# Altium PCB Main.PcbDoc (part 1 of 2)
Units mil, origin at the board's own origin, x right, y up, seen from the top; angles counter-clockwise.
Board outline 5243.55 x 2100.99 mil, 2 copper layers (Top Layer, Bottom Layer); 45 components, 63 nets, 314 pads, 247 vias.
Unrouted connection lines stored in the file: 45.
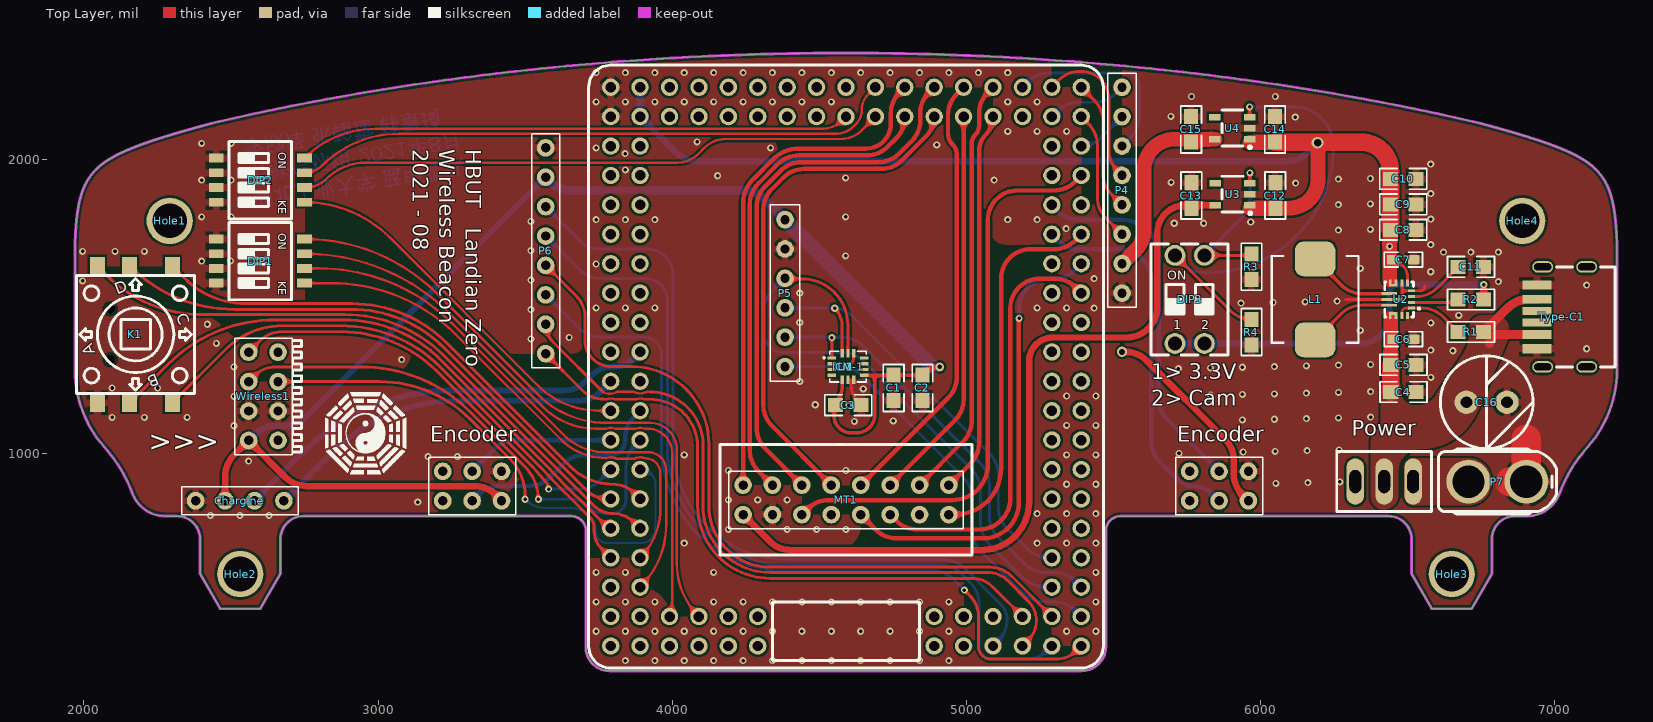
[diagram p0: Top Layer view]
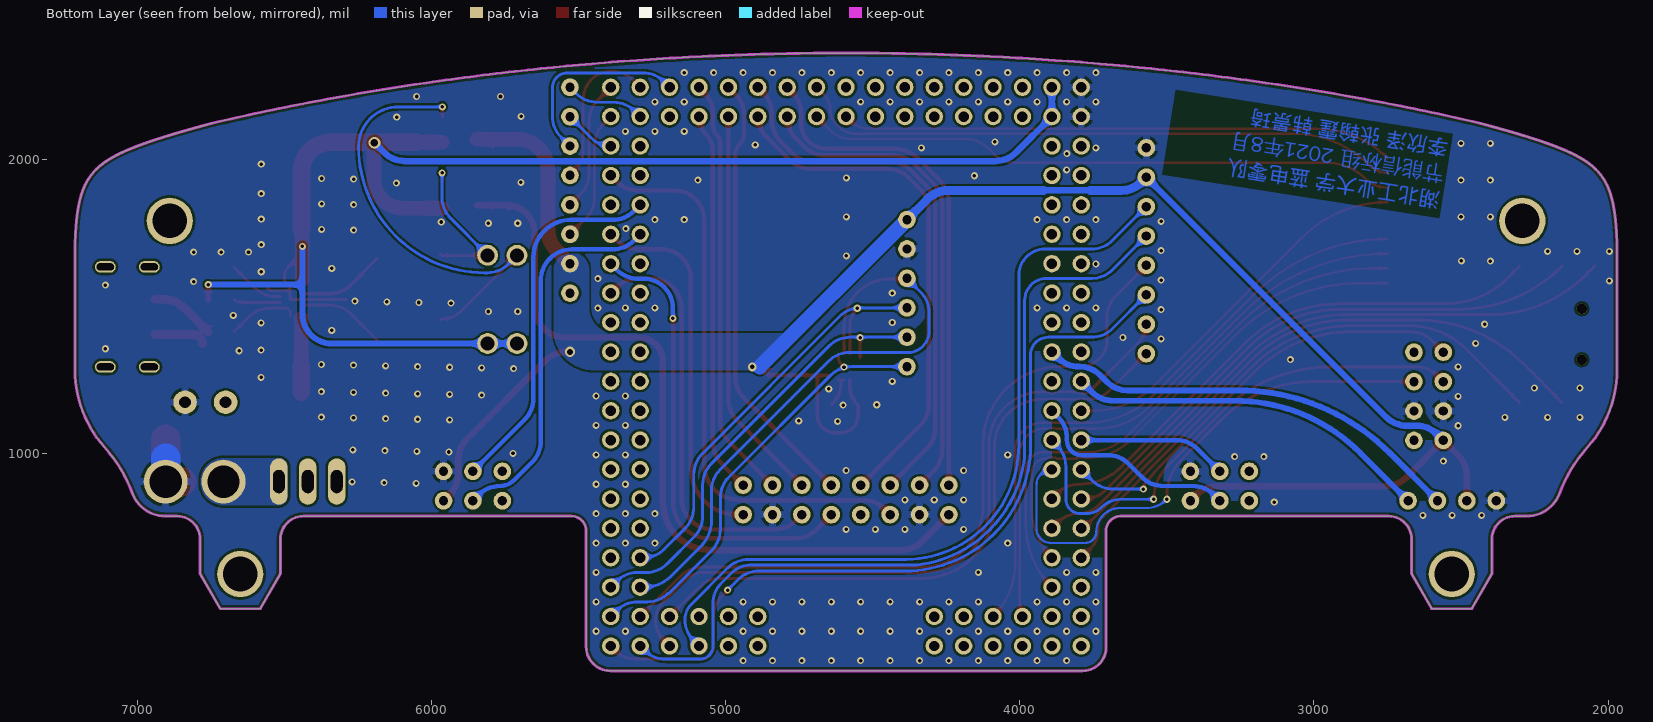
[diagram p1: Bottom Layer view, seen from below]
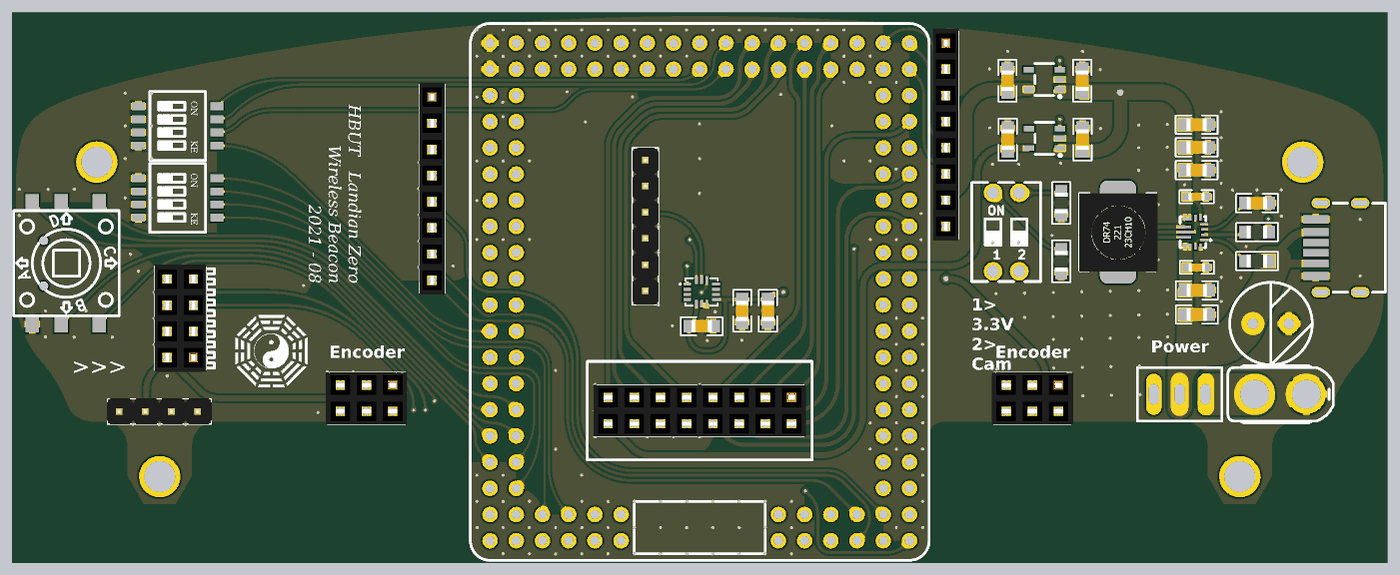
[diagram p3: 3D render of the assembled board from above, using the file's embedded part models]

## Layer stack, top to bottom
Top Solder: solder mask 0.4, Solder Resist, Dk 3.5
Top Layer: signal copper 1.4
Dielectric 1: dielectric 12.6, FR-4, Dk 4.8
Bottom Layer: signal copper 1.4
Bottom Solder: solder mask 0.4, Solder Resist, Dk 3.5

## Board outline
1118 vertices, not listed, extent 1969.59,261.46 7213.14,2362.45

## Design rules (kind name [scope] priority, off if disabled: settings)
AssemblyTestPointUsage [All] p1 off:
AssemblyTestpoint [All] p1 off: testpointundercomponent=TRUE minsize=40 maxsize=100 preferedsize=60 minholesize=0 maxholesize=40 preferedholesize=32 testpointgrid=1 usegrid=TRUE gridtolerance=0.01 allowsidetop=TRUE allowsidebottom=TRUE
Clearance [All] p1: gap=8 ignorepadtopadclearanceinfootprint=TRUE
FabricationTestPointUsage [All] p1 off: valid=0 allowmultiple=FALSE
FabricationTestpoint [All] p1 off: side=3 testpointundercomponent=TRUE minsize=40 maxsize=100 preferedsize=60 minholesize=0 maxholesize=40 preferedholesize=32 testpointgrid=1 allowsidetop=TRUE allowsidebottom=TRUE usegrid=TRUE gridtolerance=0.01
Height [All] p1 off: minheight=0 maxheight=1000 prefheight=500
HoleSize [All] p1: absolutevalues=TRUE maxlimit=10000 minlimit=1 maxpercent=80.000 minpercent=20.000
HoleToHoleClearance [All] p1: gap=8 allowstackedmicrovias=TRUE
MinimumSolderMaskSliver [All] p1: minsoldermaskwidth=8
PlaneConnect [All] p1: planeconnectstyle=Direct reliefexpansion=20 reliefentries=4 reliefconductorwidth=10 reliefairgap=10
PolygonConnect PolygonConnect_VCC [InNetClass('VCC')] p1: connectstyle=Direct reliefconductorwidth=10 reliefentries=4 polygonreliefangle="90 Angle" airgapwidth=10
PolygonConnect [All] p2: thpad.connectstyle=Relief thpad.reliefconductorwidth=25 thpad.reliefentries=4 thpad.polygonreliefangle="90 Angle" thpad.airgapwidth=10 smdpad.connectstyle=Relief smdpad.reliefconductorwidth=25 smdpad.reliefentries=4 smdpad.polygonreliefangle="90 Angle" smdpad.airgapwidth=10 via.connectstyle=Direct via.reliefconductorwidth=10 via.reliefentries=4 via.polygonreliefangle="90 Angle" via.airgapwidth=10
RoutingVias [All] p1: holewidth=14 width=26 viastyle="Through Hole" minholewidth=12 minwidth=24 maxholewidth=100 maxwidth=100
SilkToSilkClearance [All] p1: silktosilkclearance=0
SilkToSolderMaskClearance [IsPad] p1: minsilkscreentomaskgap=0 clearancetoexposedcopper=TRUE
SolderMaskExpansion [All] p1: expansion=4 istentingtop=FALSE
UnRoutedNet [All] p1: checkbadconnections=TRUE
Width Width_PWR [InNetClass('PWR')] p1: maxlimit=400 minlimit=10 preferedwidth=50 minimp=50.000000 maximp=50.000000 favimp=50.000000
Width [All] p2: maxlimit=200 minlimit=8 preferedwidth=10 minimp=50.000000 maximp=50.000000 favimp=50.000000
18 further rules are at their usual default settings.

## Classes and differential pairs
net class VCC: 3V3 +5 SXT_3V3 V_BAT VCC

## Components (designator, comment, footprint, x,y, rotation, side; value= is the part's Value field where it differs from the comment)
C1 "0.1uF" 0805_CAP 4753.33,1223.48 r270 top locked
C2 "2.2uF" 0805_CAP 4851.35,1223.48 r270 top locked
C3 "10nF" 0805_CAP 4598.89,1165.15 r0 top locked
C4 "10uF" 0805_CAP 6487.11,1209.53 r180 top
C5 "10uF" 0805_CAP 6487.11,1302.03 r180 top
C6 "10uF" 0603_CAP 6487.11,1389.53 r180 top
C7 "10uF" 0603_CAP 6486.49,1659.53 r180 top
C8 "22uF" 0805_CAP 6486.49,1761.19 r180 top
C9 "22uF" 0805_CAP 6486.49,1847.86 r180 top
C10 "22uF" 0805_CAP 6486.49,1934.53 r180 top
C11 "0.1uF" 0805_CAP 6716.49,1635.16 r180 top
C12 "1uF" 0805_CAP 6051.26,1877.92 r270 top
C13 "1uF" 0805_CAP 5765.94,1877.92 r270 top
C14 "1uF" 0805_CAP 6050.31,2102.5 r270 top
C15 "1uF" 0805_CAP 5765,2102.5 r270 top
C16 "470uF" CAP_8X10 6770,1175 r0 top
Chargine "HDR1x4_2.54" HDR_1X4 2380,840 r90 top (schematic designator P3)
DIP1 "CSW-4P_SMD" "DIP Switch 4P - SMD" 2600,1655 r270 top
DIP2 "CSW-4P_SMD" "DIP Switch 4P - SMD" 2600,1930 r270 top
DIP3 "CSW-2P" "DIP Switch 2P" 5760,1524.53 r0 top
Encoder "HDR2x3_2.54" HDR_2X3 5960,940 r270 top (schematic designator P2)
Encoder "HDR2x3_2.54" HDR_2X3 3420,940 r270 top (schematic designator P1)
Hole1 "Hole" Hole 2291.53,1791.61 r90 top locked
Hole2 "Hole" Hole 2531.46,590.8 r90 top locked
Hole3 "Hole" Hole 6651.15,590.8 r90 top locked
Hole4 "Hole" Hole 6891.09,1791.61 r90 top locked
ICM-1 "ICM-42605" LGA-14_L3.0-W2.5-P0.50-TL 4590.78,1294.1 r0 top locked
K1 "K1-1504SA-06" SW-SMD_K1-1504SA-06 2175,1405 r90 top
L1 "1.5uH" CDRH74R 6186.49,1524.53 r90 top
MT1 "MT9V03X" MT9V034 4941.31,892.8 r270 top locked
P4 "HDR1x8_2.54_F" HDR_1X8_F 5530,2246.1 r0 top locked
P5 "HDR1x6_2.54" HDR_1X6 4384,1796 r0 top locked
P6 "HDR1x8_2.54_F" HDR_1X8_F 3570,2040.16 r0 top
P7 "XT30 DIP" "XT30 DIP" 6708.15,905 r0 top
Power "SMTS-102" SMTS-102 6421.58,905.01 r180 top (schematic designator S1)
R1 "10K" 0805_RES 6716.49,1413.9 r180 top
R2 "100K" 0805_RES 6716.49,1524.53 r0 top
R3 "100K" 0805_RES 5970,1635.55 r270 top
R4 "100K" 0805_RES 5970,1413.5 r270 top
Type-C1 "USB Type-C" "Type-C 6P" 6960.39,1295 r90 top
U1 "SAK-TC377_CoreBoard" TC377_CoreBoard 3791.31,2246.1 r0 top locked
U2 "TPS63070" VQFN-15_L3.0-W2.5-P0.50-BL 6477.11,1524.53 r90 top
U3 "RT9013" SOT-23-5_L3.0-W1.7-P0.95-LS2.8-BR 5905.94,1880.42 r0 top
U4 "RT9013" SOT-23-5_L3.0-W1.7-P0.95-LS2.8-BR 5905,2105 r0 top
Wireless1 "Wireless" HDR_2X4_F 2560,1345 r0 top

## Footprints (in the part's own frame and the unit in brackets; to place one, negate y for a bottom-side part, rotate by r counter-clockwise, add the part's x,y. Pads: shape width x height; smd on the part's side, far side on the other; paste and mask are expansions set on the pad)
0603_CAP [mm]
  rect 1x0.8 smd: 1(-0.889,0) 2(0.889,0)
  silkscreen extent -1.65,-0.64 1.65,0.64, body extent -0.8,-0.4 0.8,0.4, height 0.8
0805_CAP [mm]
  rect 1.3x1.2 smd: 1(-1.1,0) 2(1.1,0)
  silkscreen extent -2.03,-0.89 2.03,0.89, body extent -1,-0.62 1,0.63, height 1
0805_RES [mm]
  rect 1.3x1.2 smd: 1(-1.1,0) 2(1.1,0)
  silkscreen extent -2.03,-0.89 2.03,0.89, body extent -1,-0.62 1,0.63, height 0.6
CAP_8X10 [mil] "Electrolytic capacitor"
  round 80 hole 40: 1(-68.9,0) 2(68.9,0)
  silkscreen extent -157,-157 158,157
CDRH74R [mm] "CDRH74R - 7*7*4"
  rrect50% 3x3.5 smd: 1(-3.5,0) 2(3.5,0)
  silkscreen extent -3.75,-3.75 3.75,3.75, body extent -3.85,-3.85 3.75,3.75
"DIP Switch 2P" [mm] "DIP Switch 2P"
  round 1.8 hole 1.2: 1(-1.27,3.81) 2(1.27,3.81) 4(-1.27,-3.81) 5(1.27,-3.81)
  silkscreen extent -3.33,-4.8 3.33,4.8
"DIP Switch 4P - SMD" [mm] "DIP Switch 4P - SMD"
  rect 0.76x1.27 smd: 1(-1.905,3.81) 2(-0.635,3.81) 3(0.635,3.81) 4(1.905,3.81) 5(-1.905,-3.81) 6(-0.635,-3.81) 7(0.635,-3.81) 8(1.905,-3.81)
  silkscreen extent -3.34,-2.7 3.34,2.7
HDR_1X4 [mil] "HDR_1X4_2.54_180"
  round 60 hole 32: 1(0,0) 2(0,-100) 3(0,-200) 4(0,-300)
  silkscreen extent -48,-348 48,48, body extent -49,-350 49,50, height 323
HDR_1X6 [mil] "HDR_1X6_2.54_180"
  round 60 hole 32: 1(0,0) 2(0,-100) 3(0,-200) 4(0,-300) 5(0,-400) 6(0,-500)
  silkscreen extent -50,-550 50,50, body extent -49,-550 49,50, height 323
HDR_1X8_F [mil] "HDR1X8_2.54_180F"
  round 60 hole 32: 1(0,0) 2(0,-100) 3(0,-200) 4(0,-300) 5(0,-400) 6(0,-500) 7(0,-600) 8(0,-700)
  silkscreen extent -48,-748 48,48, body extent -49,-755 49,55, height 335
HDR_2X3 [mil] "HDR_2X3_2.54_180"
  round 60 hole 32: 1(0,0) 2(100,0) 3(0,-100) 4(100,-100) 5(0,-200) 6(100,-200)
  silkscreen extent -48,-248 148,48, body extent -48,-255 148,55, height 335
HDR_2X4_F [mil] "HDR2X4_2.54_180F"
  round 60 hole 32: 1(0,0) 2(100,0) 3(0,-100) 4(100,-100) 5(0,-200) 6(100,-200) 7(0,-300) 8(100,-300)
  silkscreen extent -48,-348 148,48, body extent -48,-355 148,55, height 335
Hole [mm] "3MM定位孔"
  round 4 hole 3: 0(0,0)
LGA-14_L3.0-W2.5-P0.50-TL [mm]
  rect 0.745x0.28 smd: 1(-1.21,0.801) 2(-1.21,0.301) 3(-1.21,-0.199) 4(-1.21,-0.699) 8(1.585,-0.699) 9(1.585,-0.199) 10(1.585,0.301) 11(1.585,0.801)
  rect 0.28x0.745 smd: 5(-0.312,-1.097) 6(0.188,-1.097) 7(0.688,-1.097) 12(0.688,1.198) 13(0.188,1.198) 14(-0.312,1.198)
  silkscreen extent -1.96,-1.28 1.76,1.38
MT9V034 [mil] "MT9V034_HDR2X8_2.54_180F"
  round 60 hole 32: 1(0,0) 2(100,0) 3(0,-100) 4(100,-100) 5(0,-200) 6(100,-200) 7(0,-300) 8(100,-300) 9(0,-400) 10(100,-400) 11(0,-500) 12(100,-500) 13(0,-600) 14(100,-600) 15(0,-700) 16(100,-700)
  silkscreen extent -138,-779 238,79, body extent -48,-755 148,55, height 335
SMTS-102 [mm] "SMTS-102"
  oval 1.5x4 hole 1 slot 2 at 90 deg: 1(-2.5,0) 2(0,0) 3(2.5,0)
  silkscreen extent -4.1,-2.6 4.1,2.6
SOT-23-5_L3.0-W1.7-P0.95-LS2.8-BR [mm]
  rect 1x0.55 smd: 1(1.5,-0.9) 2(1.5,0.05) 3(1.5,1) 4(-1.5,1) 5(-1.5,-0.9)
  silkscreen extent -0.9,-1.73 1.65,1.6
SW-SMD_K1-1504SA-06 [mm]
  rect 1.6x1.3 smd: 1(-5.885,3.287) 2(-5.885,0.493) 3(-5.885,-3.19) 4(5.915,3.287) 5(5.915,0.493) 6(5.915,-3.19)
  round 0.9 hole 0.9 unplated: ""(-2.185,2.185) ""(2.215,2.185)
  silkscreen extent -5.09,-5.12 5.11,5.09
TC377_CoreBoard [mm] "逐飞科技TC377核心板"
  round 1.5 hole 0.9: 1(0,0) 2(2.54,0) 3(0,-2.54) 4(2.54,-2.54) 5(0,-5.08) 6(2.54,-5.08) 7(0,-7.62) 8(2.54,-7.62) 9(0,-10.16) 10(2.54,-10.16) 11(0,-12.7) 12(2.54,-12.7) 13(0,-15.24) 14(2.54,-15.24) 15(0,-17.78) 16(2.54,-17.78) 17(0,-20.32) 18(2.54,-20.32) 19(0,-22.86) 20(2.54,-22.86) 21(0,-25.4) 22(2.54,-25.4) 23(0,-27.94) 24(2.54,-27.94) 25(0,-30.48) 26(2.54,-30.48) 27(0,-33.02) 28(2.54,-33.02) 29(0,-35.56) 30(2.54,-35.56) 31(0,-38.1) 32(2.54,-38.1) 33(0,-40.64) 34(2.54,-40.64) 35(0,-43.18) 36(2.54,-43.18) 37(0,-45.72) 38(2.54,-45.72) 39(0,-48.26) 40(2.54,-48.26) 41(5.08,-48.26) 42(5.08,-45.72) 43(7.62,-48.26) 44(7.62,-45.72) 45(10.16,-48.26) 46(10.16,-45.72) 47(12.7,-48.26) 48(12.7,-45.72) 49(27.94,-45.72) 50(27.94,-48.26) 51(30.48,-45.72) 52(30.48,-48.26) 53(33.02,-45.72) 54(33.02,-48.26) 55(35.56,-45.72) 56(35.56,-48.26) 57(38.1,-48.26) 58(40.64,-48.26) 59(38.1,-45.72) 60(40.64,-45.72) 61(38.1,-43.18) 62(40.64,-43.18) 63(38.1,-40.64) 64(40.64,-40.64) 65(38.1,-38.1) 66(40.64,-38.1) 67(38.1,-35.56) 68(40.64,-35.56) 69(38.1,-33.02) 70(40.64,-33.02) 71(38.1,-30.48) 72(40.64,-30.48) 73(38.1,-27.94) 74(40.64,-27.94) 75(38.1,-25.4) 76(40.64,-25.4) 77(38.1,-22.86) 78(40.64,-22.86) 79(38.1,-20.32) 80(40.64,-20.32) 81(38.1,-17.78) 82(40.64,-17.78) 83(38.1,-15.24) 84(40.64,-15.24) 85(38.1,-12.7) 86(40.64,-12.7) 87(38.1,-10.16) 88(40.64,-10.16) 89(38.1,-7.62) 90(40.64,-7.62) 91(38.1,-5.08) 92(40.64,-5.08) 93(38.1,-2.54) 94(40.64,-2.54) 95(38.1,0) 96(40.64,0) 97(35.56,-2.54) 98(35.56,0) 99(33.02,-2.54) 100(33.02,0) 101(30.48,-2.54) 102(30.48,0) 103(27.94,-2.54) 104(27.94,0) 105(25.4,-2.54) 106(25.4,0) 107(22.86,-2.54) 108(22.86,0) 109(20.32,-2.54) 110(20.32,0) 111(17.78,-2.54) 112(17.78,0) 113(15.24,-2.54) 114(15.24,0) 115(12.7,-2.54) 116(12.7,0) 117(10.16,-2.54) 118(10.16,0) 119(7.62,-2.54) 120(7.62,0) 121(5.08,-2.54) 122(5.08,0)
  silkscreen extent -1.91,-50.17 42.55,1.91
"Type-C 6P" [mm]
  oval 1x1.8 hole 0.61 slot 1.5 at 90 deg: 0(0,0) 0(0,-3.8) 0(8.64,-3.8) 0(8.64,0)
  rect 0.7x2.5 smd: A5(3.82,0.5) B5(4.82,0.5)
  rect 0.76x2.5 smd: A9(5.84,0.5) B9(2.8,0.5)
  rect 0.8x2.5 smd: A12(7.07,0.5) B12(1.57,0.5)
  silkscreen extent 0,-6.24 8.64,-1.18
VQFN-15_L3.0-W2.5-P0.50-BL [mm]
  rect 0.25x0.6 smd: 1(-0.75,-0.962) 2(-0.25,-0.963) 3(0.25,-0.963) 4(0.75,-0.963)
  rect 0.6x0.25 smd: 5(1.4,-0.612) 6(1.4,-0.112) 7(1.4,0.388) 7(1.4,0.888) 12(-1.4,0.388) 12(-1.4,0.888) 14(-1.4,-0.112) 15(-1.4,-0.612)
  rect 0.25x0.75 smd: 7(1.225,0.638) 12(-1.225,0.638)
  rect 0.25x1.35 smd: 9(0.5,0.963) 11(-0.5,0.963)
  rect 0.25x1.7 smd: 10(0,0.788)
  silkscreen extent -1.5,-1.65 1.5,1.36
"XT30 DIP" [mm] "XT30 DIP"
  round 3.8 hole 2.8: 1(0,0) 2(5,0)
  silkscreen extent -2.6,-2.8 7.6,2.8

## Part data
C1 C2 C3 C4 C5 C8 C9 C10 C11 C12 C13 C14 C15: library part 0805_CAP, "Capacitor", Specification="X7R 50V"
C6 C7: library part 0603_CAP, "Capacitor", Specification="X7R 50V"
C16: library part CAP_10, "Electrolytic capacitor"
Chargine Encoder Encoder P4 P5 P6: "Header"
DIP3: "2路编码开关", BOM名称=3路编码开关, 学习资源=www.ooocke.com, 版权归属=源创客
K1: "K1-1504SA-06 五向开关"
L1: library part IND, "Inductor", BOM_Manufacturer=microgate, BOM_Manufacturer Part=MPIT6045-330M-LF, BOM_Supplier=LCSC, BOM_Supplier Part=C696490, Contributor=LCSC, nameAlias=Inductance, spicePre=L, spiceSymbolName=MPIT6045-330M-LF
MT1: "MT9V03X转接板"
P7: "XT30 板载直头直插"
R1 R2 R3 R4: library part 0805_RES, "Resistor", Specification=±5%
Type-C1: library part USB_Type-C_6P, "Type-C 6P"
U1: "逐飞科技TC377核心板"
DIP1 DIP2: BOM名称=3路编码开关, 学习资源=www.ooocke.com, 版权归属=源创客

## Via types
v1: diameter 24, hole 12, Top Layer to Bottom Layer, tented both sides, 244 vias
v2: diameter 40, hole 25, Top Layer to Bottom Layer, 1 vias
v3: diameter 30, hole 15, Top Layer to Bottom Layer, tented both sides, 1 vias
v4: diameter 35, hole 20, Top Layer to Bottom Layer, tented both sides, 1 vias

## Nets (pads, with @x,y where several pads share a name; then routed paths per layer and width w, separated by ;. In a path a pad name is that pad's centre, name@x,y a point inside that pad or via, vN(x,y) a via of type N, cw(c..) or ccw(c..) an arc to the next point about the centre after c; other vN are vias at no path point)
3V3: C1.1 C2.1 C3.1 C15.2 Chargine.2 Encoder.2 ICM-1.5 ICM-1.8 P4.7 P5.1 P6.2 U4.5 Wireless1.7 | length 6220.6
  Top Layer w12: ICM-1.5@4578.48,1250.93 4578.48,1231.92 cw(c4482.64,1231.92) 4550.41,1164.14 4550.41,1129.5 ccw(c4608.81,1129.5) 4608.81,1071.1 4628.81,1071.1 ccw(c4628.81,1131.1) 4688.81,1131.1 4688.81,1266.57 ; ICM-1.8@4653.19,1266.57 4688.81,1266.57 ; C1.1@4747.35,1266.57 4688.81,1266.57 ; C1.1@4753.33,1266.78 C2.1@4851.35,1266.78
  Top Layer w20: C2.1@4851.35,1266.78 4858.05,1273.48 cw(c4910,1221.53) 4893.34,1293.09 cw(c4910,1221.53) v3(4910,1295)
  Top Layer w22: Chargine.2@2480,840 2480,923.58 cw(c2580,923.58) 2509.29,994.29 Wireless1.7@2560,1045 2685.71,919.29 ccw(c2756.42,990) 2756.42,890 3328.58,890 cw(c3328.58,790) 3399.29,860.71 Encoder.2@3420,840 ; v4(5530,1346.1) 5542.48,1346.1 cw(c5542.48,1246.1) 5613.19,1316.81 5880.71,1049.29 cw(c5810,978.58) 5910,978.58 5910,931.42 ccw(c6010,931.42) 5939.29,860.71 Encoder.2@5960,840
  Top Layer w50: P4.7@5530,1646.1 5575.71,1691.81 ccw(c5505,1762.52) 5605,1762.52 5605,1964.58 cw(c5710,1964.58) 5710,2069.58 U4.5@5845.94,2069.58
  Bottom Layer w22: Wireless1.7@2560,1045 2580.71,1065.71 cw(c2651.42,995) 2651.42,1095 2683.42,1095 ccw(c2683.42,1195) 2754.13,1124.29 P6.2@3570,1940.16 P6.2@3585.87,1924.29 ; 3760,1895 3920,1895 ; P5.1@4384,1796 ccw(c4388.76,1796) P5.1@4385.4,1792.63
  Bottom Layer w30: P6.2@3585.87,1924.29 ccw(c3656.58,1995) 3656.58,1895 3760,1895 ; 3920,1895 4243.58,1895 cw(c4243.58,1795) 4314.29,1865.71 P5.1@4384,1796 ; P5.1@4385.4,1792.63 P5.1@4387.37,1792.63 ; 4885,1295 v3(4910,1295)
  Bottom Layer w50: P5.1@4387.37,1792.63 4885,1295
+5: C7.2 C8.2 C9.2 C10.2 C12.2 C14.2 DIP3.4 DIP3.5 R2.2 U1.2 U1.4 U2.5 U2.7 U3.1 U4.1 | length 5292.9
  Top Layer w10: C7.2@6440,1659.53 cw(c6440,1598.3) 6501.23,1598.3 U2.5@6501.23,1579.65
  Top Layer w20: R2.2@6759.79,1524.53 6760,1524.53 v1(6760,1575)
  Top Layer w50: U4.1@5964.19,2059.19 C14.2@6050.31,2059.19 ; U3.1@5965.14,1834.61 C12.2@6051.26,1834.61 6096.75,1834.61 ccw(c6096.75,1934.61) 6196.75,1934.61 6196.75,2057.45 ccw(c6195,2057.45) v2@6195,2059.19 ; 6440,1592.03 6440,1659.53 v1(6440,1705) C8.2@6440,1750
  Top Layer w60: C14.2@6050.31,2059.19 6195,2059.19 6343.18,2059.19 cw(c6343.18,1959.19) 6443.18,1959.19 C10.2@6443.18,1934.53 C9.2@6443.18,1847.86 C8.2@6443.18,1761.19
  Bottom Layer w20: DIP3.4@5710,1374.53 DIP3.5@5810,1374.53 6340,1374.53 ccw(c6340,1474.53) 6440,1474.53 6440,1575 ; v1(6440,1705) 6440,1575 ; v1(6760,1575) 6440,1575
  Bottom Layer w22: U1.2@3891.31,2246.1 U1.4@3891.31,2146.1 4013.12,2024.29 ccw(c4083.83,2095) 4083.83,1995 5526.25,1995 ccw(c5526.19,2017) 5527.31,1995.03 cw(c5530,1946.1) 5532.69,1995.03 ccw(c5533.81,2017) 5533.75,1995 6091.13,1995 ccw(c6091.13,2095) 6161.84,2024.29 v2(6195,2057.45)
ADC_SCA: Chargine.4 U1.21 | length 1249.4
  Bottom Layer w20: Chargine.4@2680,840 2843.88,1003.88 cw(c3268.99,578.87) 3269.02,1180 3269.08,1180 3683.78,1180 ccw(c3683.78,1280) 3754.49,1209.29 U1.21@3791.31,1246.1
ADC_SCV: Chargine.3 U1.20 | length 1476.8
  Bottom Layer w20: Chargine.3@2580,840 2742.66,1002.66 cw(c3255.21,490.23) 3255.23,1215 3255.3,1215 3633.58,1215 ccw(c3633.58,1315) 3704.29,1244.29 3726.81,1266.81 cw(c3797.52,1196.1) 3797.49,1296.1 3799.89,1296.1 ccw(c3799.89,1396.1) 3870.6,1325.39 U1.20@3891.31,1346.1
DIP_1: DIP1.1 U1.44 | length 2123
  Top Layer w8: DIP1.1@2750,1730 2771,1729.67 cw(c2750.35,1091.08) 3202.46,1542.54 ; 3202.49,1542.51 3544.23,1200.77 ccw(c3775.28,1431.6) 3775.37,1105 ; 3775.41,1105 3784.87,1105 cw(c3784.83,1097) 3785.84,1104.94 ccw(c3791.31,1146.1) 3796.77,1104.94 cw(c3797.78,1097) 3797.74,1105 3884.87,1105 cw(c3884.83,1097) 3885.84,1104.94 ccw(c3891.31,1146.1) 3896.77,1104.94 cw(c3897.78,1097) 3897.74,1105 3924.17,1105 cw(c3924.17,1013.17) 4016,1013.21 ; 4016,1013.17 4016,627.97 4016,627.91 ccw(c4273.12,627.91) U1.44@4091.31,446.1
DIP_2: DIP1.2 U1.42 | length 2064.9
  Top Layer w8: DIP1.2@2750,1680 2771,1679.69 cw(c2750.29,980.58) 3245,1475 3245.16,1474.84 3561.06,1158.94 ; 3561.09,1158.91 ccw(c3739.69,1337.74) 3739.71,1085 ; 3739.75,1085 3775.42,1085 ccw(c3775.38,1093) 3777.92,1085.41 cw(c3791.31,1046.1) 3804.7,1085.41 ccw(c3807.23,1093) 3807.19,1085 3875.42,1085 ccw(c3875.38,1093) 3877.92,1085.41 cw(c3891.31,1046.1) 3904.7,1085.41 ccw(c3907.23,1093) 3907.19,1085 3916.97,1085 cw(c3916.97,1001.97) 4000,1001.97 4000,454.8 cw(c3991.31,454.8) U1.42@3991.31,446.1
DIP_3: DIP1.3 U1.36 | length 1908.7
  Top Layer w8: DIP1.3@2750,1630 2798.45,1630 cw(c2798.74,987.2) 3253.49,1441.51 3631.67,1063.33 ; 3631.68,1063.32 ccw(c3772.43,1203.99) 3772.44,1005 ; 3772.48,1005 3784.87,1005 cw(c3784.83,997) 3785.84,1004.94 ccw(c3791.31,1046.1) 3796.77,1004.94 cw(c3797.78,997) 3797.74,1005 3884.87,1005 cw(c3884.83,997) 3885.84,1004.94 ccw(c3891.31,1046.1) 3896.77,1004.94 cw(c3897.78,997) 3897.74,1005 3917.99,1005 cw(c3917.99,942.99) 3980,942.99 3980,760.23 cw(c3677.18,760.23) U1.36@3891.31,546.1
DIP_4: DIP1.4 U1.34 | length 1758.4
  Top Layer w8: DIP1.4@2750,1580 2840.93,1580 cw(c2841.13,979.17) 3266.11,1403.88 3266.17,1403.83 3621.13,1048.87 ccw(c3775.42,1203.3) 3775.46,985 ccw(c3775.38,993) 3777.95,985.42 cw(c3791.31,946.1) 3800.8,986.53 ccw(c3802.59,994.33) 3801.06,986.48 3802.38,986.22 cw(c3800.85,978.37) 3803.76,985.82 3805.96,984.96 cw(c3791.31,946.1) 3809.81,983.28 ccw(c3813.32,990.47) 3813.28,982.47 3869.33,982.47 ccw(c3869.29,990.47) 3872.82,983.29 cw(c3891.31,946.1) 3907.7,984.26 ccw(c3910.81,991.63) 3910.77,983.63 cw(c3910.77,934.4) 3960,934.4 3960,811.94 cw(c3725.47,811.94) U1.34@3891.31,646.1
DIP_5: DIP2.1 U1.109 | length 1880.9
  Top Layer w8: DIP2.1@2750,2005 2761.64,2015.96 2761.64,2016.1 cw(c2990.4,1764.6) 2990.4,2104.57 4508.36,2104.57 ccw(c4508.36,2204.57) 4508.51,2104.57 ccw(c4508.36,2204.57) 4579.07,2133.86 U1.109@4591.31,2146.1
DIP_6: DIP2.2 U1.108 | length 2067.4
  Top Layer w8: DIP2.2@2750,1955 ccw(c2750,2039.5) 2809.72,1979.72 cw(c3070.2,1719.3) 3070.2,2087.63 4555.6,2087.63 ccw(c4555.6,2177.03) 4618.81,2113.82 4623.86,2118.86 ccw(c4572.82,2169.9) 4645,2169.9 cw(c4717.18,2169.9) 4666.14,2220.94 U1.108@4691.31,2246.1
DIP_7: DIP2.3 U1.107 | length 2015.8
  Top Layer w8: DIP2.3@2750,1905 2753.58,1905 ccw(c2753.58,2005) 2824.26,1934.26 cw(c2957.85,1800.73) 2957.85,1989.61 4018.19,1989.61 ccw(c4018.19,2089.61) 4088.9,2018.9 4110.71,2040.71 cw(c4181.42,1970) 4181.42,2070 4573.78,2070 ccw(c4573.78,2170) 4644.49,2099.29 U1.107@4691.31,2146.1
DIP_8: DIP2.4 U1.23 | length 1304.6
  Top Layer w8: DIP2.4@2750,1855 2771,1854.46 cw(c2750,1444.58) 3040.28,1734.72 3542.52,1232.48 ; 3542.55,1232.45 ccw(c3750.98,1440.83) 3750.99,1146.1 ; 3751.03,1146.1 U1.23@3791.31,1146.1
"EN_9013 1": DIP3.1 R4.1 U4.3 | length 1547.4
  Top Layer w10: DIP3.1@5710,1674.53 5898.43,1486.1 ccw(c5969.14,1556.81) 5969.14,1456.81 R4.1@5970,1456.81 ; U4.3@5964.06,2144.39 v1(5964.06,2179.58)
  Bottom Layer w10: DIP3.1@5710,1674.53 5740.24,1644.29 ccw(c5810.95,1715) 5810.95,1615 5820.06,1615 ccw(c5820.06,2043.84) 6248.9,2043.84 ccw(c6113.16,2043.84) 6113.16,2179.58 v1(5964.06,2179.58)
"EN_9013 2": DIP3.2 R3.1 U3.3 | length 538
  Top Layer w10: DIP3.2@5810,1674.53 5965.67,1674.53 ccw(c5965.67,1678.86) R3.1@5970,1678.86 ; U3.3@5965,1919.8 v1(5965,1955)
  Bottom Layer w10: DIP3.2@5810,1674.53 5935.71,1800.24 ccw(c5865,1870.95) 5965,1870.95 v1(5965,1955)
Encoder_1A: Encoder.3@3320,940 U1.25 | length 511
  Bottom Layer w15: Encoder.3@3320,940 3396.81,1016.81 cw(c3467.52,946.1) 3467.52,1046.1 U1.25@3791.31,1046.1
Encoder_1B: Encoder.4@3320,840 U1.24 | length 717.9
  Bottom Layer w15: Encoder.4@3320,840 3340.71,860.71 cw(c3411.42,790) 3411.42,890 3513.58,890 ccw(c3513.58,990) 3584.29,919.29 3630.71,965.71 cw(c3701.42,895) 3701.42,995 3790,995 ccw(c3790,1045) 3840,1045 3840,1053.37 cw(c3940,1053.37) 3869.29,1124.08 U1.24@3891.31,1146.1
Encoder_2A: Encoder.3@5860,940 U1.87 | length 1261.4
  Bottom Layer w15: U1.87@5291.31,1846.1 5313.12,1824.29 ccw(c5383.83,1895) 5383.83,1795 5527.61,1795 cw(c5527.61,1668.32) 5654.29,1668.32 5654.29,1187.13 ccw(c5754.29,1187.13) 5683.58,1116.42 Encoder.3@5860,940
Encoder_2B: Encoder.4@5860,840 U1.85 | length 1289.2
  Bottom Layer w15: U1.85@5291.31,1746.1 5313.12,1724.29 ccw(c5383.83,1795) 5383.83,1695 5522.98,1695 cw(c5522.98,1588.69) 5629.29,1588.69 5629.29,1042.13 ccw(c5729.29,1042.13) 5658.58,971.42 5719.79,910.21 ccw(c5768.58,958.99) 5768.58,890 cw(c5768.58,790) 5839.29,860.71 Encoder.4@5860,840
GND: C1.2 C2.2 C3.2 C4.1 C5.1 C6.1 C7.1 C8.1 C9.1 C10.1 C11.1 C12.1 C13.1 C14.1 C15.1 C16.2 Chargine.1 DIP1.5 DIP1.6 DIP1.7 DIP1.8 DIP2.5 DIP2.6 DIP2.7 DIP2.8 Encoder.1 ICM-1.6 ICM-1.7 K1.1 MT1.4 MT1.14 P4.8 P5.2 P6.1 P7.2 R3.2 R4.2 Type-C1.A12 Type-C1.B12 U1.1 U1.3 U2.4 U2.6 U2.10 U2.15 U3.2 U4.2 Wireless1.5 Wireless1.6 | length 729.7
  Top Layer w10: ICM-1.6@4598.17,1250.93 4608.01,1250.93 ICM-1.7@4617.85,1250.93 ; 6290,1525 ccw(c6291.14,1526.14) 6291.14,1524.53 U2.10@6446.11,1524.53 6481.54,1524.53 6481.54,1554.06 ; U2.6@6481.54,1579.65 6481.54,1554.06 ; 6560,1570 cw(c6544.06,1570) 6544.06,1554.06 U2.4@6515.01,1554.06 6481.54,1554.06
  Top Layer w11: 4608.01,1250.93 4608.01,1240.76 ccw(c4708.01,1240.76) 4637.3,1170.05 C3.2@4642.2,1165.15
  Top Layer w100: P7.2@6850,905 P7.2@6905,905 6905,1050
  Bottom Layer w100: P7.2@6905,905 6905,985
  other v1: 3841.31,296.1 3941.31,296.1 4041.31,296.1 4141.31,296.1 4241.31,296.1 4341.31,296.1 4441.31,296.1 4541.31,296.1 4641.31,296.1 4741.31,296.1 4841.31,296.1 4941.31,296.1 3741.31,396.1 3841.31,396.1 3941.31,396.1 4041.31,396.1 4141.31,396.1 4241.31,396.1 4341.31,396.1 4441.31,396.1 4541.31,396.1 4641.31,396.1 4741.31,396.1 4841.31,396.1 4941.31,396.1 5341.31,396.1 5441.31,396.1 3741.31,496.1 3841.31,496.1 3941.31,496.1 4141.31,496.1 4241.31,496.1 4341.31,496.1 4441.31,496.1 4541.31,496.1 4641.31,496.1 4741.31,496.1 4841.31,496.1 4941.31,496.1 5441.31,496.1 3741.31,596.1 3841.31,596.1 4141.31,596.1 5441.31,596.1 4041.31,696.1 5241.31,696.1 5341.31,696.1 5441.31,696.1 4191.31,742.8 4391.31,742.8 4491.31,742.8 4591.31,742.8 2430,790 2530,790 2630,790 5241.31,796.1 5341.31,796.1 5441.31,796.1 3135,835 4191.31,842.8 4291.31,842.8 4391.31,842.8 5341.31,896.1 5441.31,896.1 6052.94,899.09 6161.9,901.45 6270.85,903.82 4191.31,942.8 4591.31,942.8 2560,975 3170,990 3270,990 4041.31,996.1 5341.31,996.1 5441.31,996.1 5723.73,1000.94 5941.63,1005.67 6050.58,1008.04 6159.53,1010.4 6268.48,1012.77 2510,1095 5341.31,1096.1 5441.31,1096.1 4620,1110 4752.1,1111.43 5939.26,1114.62 6048.21,1116.99 6157.17,1119.35 6266.12,1121.72 2095.59,1123.31 2205.59,1123.31 2350.59,1123.31 6375.07,1124.08 4601.18,1165 4486.85,1166.37 2510,1195 5341.31,1196.1 5441.31,1196.1 5830.31,1198.93 5939.26,1201.29 6048.21,1203.66 6157.17,1206.02 6266.12,1208.39 6375.07,1210.75 4650,1220 2095.59,1223.31 2250.59,1223.31 4434,1246 6580.42,1259.53 5721.36,1289.06 5830.31,1291.43 5939.26,1293.79 2510,1295 6048.21,1296.16 6157.17,1298.52 6266.12,1300.89 6375.07,1303.25 3080,1320 6655,1350 6580.42,1352.03 7110,1356.81 2450,1375 3520,1390.16 3650,1395 6340,1419.06 2420,1440 6580.42,1444.53 4434,1446 6675,1470 5707.63,1483.48 5807.63,1483.48 3520,1490.16 5435,1495 3741.31,1496.1 3841.31,1496.1 3941.31,1496.1 5241.31,1496.1 5341.31,1496.1 5934.53,1511.69 6043.48,1514.06 6152.43,1516.42 6261.39,1518.79 4434,1546 7110,1573.35 6809.79,1585.16 1995.59,1587.88 3520,1590.16 5435,1595 6579.79,1618.69 6340,1630 3741.31,1645 2400,1655 2498.69,1655.35 4590,1672.5 6623.18,1685.16 6716.49,1685.16 6809.79,1685.16 1995.59,1687.88 2105.58,1687.88 2205.59,1687.88 3520,1690.16 6579.79,1711.19 6265.49,1760.05 6374.44,1762.42 5340,1765 5707.63,1783.48 5807.63,1783.48 5967.63,1787.81 3520,1790.16 3741.31,1796.1 3841.31,1796.1 3941.31,1796.1 5141.31,1796.1 5241.31,1796.1 6579.79,1797.86 2400,1805 2500,1805 4590,1805 6265.49,1846.72 6374.44,1849.08 6579.79,1884.53 6120,1920 5697.2,1922.45 2400,1930 2500,1930 5095,1930 6265.49,1933.39 6374.44,1935.75 4590,1937.5 4155,1945 3841,1965 6579.79,1984.53 3840,2020 3741.31,2040 4335,2040 4900,2050 2400,2055 2500,2055 4085,2060 5141.31,2096.1 5241.31,2096.1 5341.31,2096.1 6119.06,2144.58 5696.26,2147.03 3741.31,2196.1 3841.31,2196.1 3941.31,2196.1 4041.31,2196.1 4141.31,2196.1 4241.31,2196.1 4341.31,2196.1 4441.31,2196.1 4541.31,2196.1 5141.31,2196.1 5241.31,2196.1 5766.22,2214.55 6051.54,2214.55 3741.31,2296.1 3841.31,2296.1 3941.31,2296.1 4041.31,2296.1 4141.31,2296.1 4241.31,2296.1 4341.31,2296.1 4441.31,2296.1 4541.31,2296.1 4641.31,2296.1 4741.31,2296.1 4841.31,2296.1 4941.31,2296.1 5041.31,2296.1 5141.31,2296.1
ICM_CS: ICM-1.12 P5.6 U1.60 | length 1500.2
  Top Layer w10: v1(4598.15,1294.51) 4607.95,1304.31 ; 4607.97,1304.33 ccw(c4585.64,1326.62) 4617.19,1326.62 ICM-1.12@4617.19,1339.68
  Bottom Layer w10: P5.6@4383.81,1296.1 P5.6@4384,1296.1 ; P5.6@4384,1296 4572.49,1296 cw(c4572.49,1196) 4643.2,1266.71 4989.52,920.39 cw(c4918.81,849.68) 5018.81,849.68 5018.81,741.64 ccw(c5118.81,741.64) 5048.1,670.93 5194.3,524.72 ; 5195.94,525.39 ccw(c5266.65,596.1) 5266.65,496.1 5299.89,496.1 cw(c5299.89,396.1) 5370.6,466.81 U1.60@5391.31,446.1
ICM_SDI: ICM-1.14 P5.4 U1.63 | length 1518
  Top Layer w10: v1(4553.15,1494.51) cw(c4493.58,1434.94) 4577.82,1434.94 ICM-1.14@4577.82,1339.68
  Bottom Layer w10: P5.4@4383.81,1496.1 P5.4@4384,1496.1 ; P5.4@4384,1496 4542.49,1496 cw(c4542.49,1396) 4613.2,1466.71 5079.8,1000.11 cw(c5009.09,929.4) 5109.09,929.4 5109.09,817.24 ccw(c5209.09,817.24) 5138.38,746.53 5209.52,675.39 ccw(c5280.23,746.1) 5280.23,646.1 U1.63@5291.31,646.1
ICM_SDO: ICM-1.1 P5.5 U1.62 | length 1518.2
  Top Layer w10: ICM-1.1@4543.15,1325.63 v1(4543.15,1394.51)
  Bottom Layer w10: P5.5@4383.81,1396.1 P5.5@4384,1396.1 ; P5.5@4384,1396 4577.49,1396 cw(c4577.49,1296) 4648.1,1366.81 cw(c4577.49,1296) 4648.2,1366.71 5049.52,965.39 cw(c4978.81,894.68) 5078.81,894.68 5078.81,787.52 ccw(c5178.81,787.52) 5108.1,716.81 5199.52,625.39 ccw(c5270.23,696.1) 5270.23,596.1 5299.89,596.1 cw(c5299.89,496.1) 5370.6,566.81 U1.62@5391.31,546.1
ICM_SPC: ICM-1.13 P5.3 U1.61 | length 2058
  Top Layer w10: P5.3@4383.15,1594.51 4441.14,1594.51 cw(c4441.14,1438.14) 4597.5,1438.14 ICM-1.13@4597.5,1339.68
  Bottom Layer w10: 4308.81,1416.12 ccw(c4381.06,1416.1) 4370.18,1344.67 ccw(c4371.61,1354.57) 4371.42,1344.57 cw(c4370.85,1294.49) 4377.17,1344.17 4579.32,1344.17 cw(c4579.32,1244.17) 4650.03,1314.88 5019.52,945.39 cw(c4948.81,874.68) 5048.81,874.68 5048.81,772.52 ccw(c5172.95,772.52) 5085.17,684.74 5187.45,582.46 ccw(c5275.23,670.24) 5275.23,546.1 U1.61@5291.31,546.1 ; 4308.81,1416.17 4308.81,1479.39 cw(c4408.81,1479.39) 4338.1,1550.1 P5.3@4384,1596
Key_1: K1.2 U1.31 | length 2003.7
  Top Layer w10: K1.2@2155.59,1173.31 2286.93,1304.65 cw(c2649.85,941.8) 2649.85,1455 2883.87,1455 cw(c2883.93,989.32) 3213.25,1318.58 ; 3213.28,1318.55 3572,959.82 3640.93,887.31 3646.62,881.62 3646.72,881.52 3706.32,823.69 3778.67,751.34 ccw(c3791.31,763.98) U1.31@3791.31,746.1
Key_2: K1.3 U1.33 | length 1928
  Top Layer w10: K1.3@2300.59,1173.31 2482.89,1355.61 cw(c2674.5,1164.08) 2674.5,1435 2873.01,1435 cw(c2873.08,956.28) 3211.6,1294.76 ; 3211.63,1294.73 3473.18,1033.18 3554,952.37 3559.02,947.35 cw(c3551.95,940.28) 3559.2,947.17 3561.81,944.41 cw(c3554.6,937.49) 3561.88,944.35 3569.31,936.52 ccw(c3576.63,943.34) 3569.38,936.45 3578.49,926.87 3588.43,916.41 3596.87,907.54 ccw(c3604.12,914.42) 3596.91,907.5 3601.98,902.16 3627.91,874.88 ccw(c3640.93,887.31) 3628.2,874.58 3633.87,868.91 ccw(c3646.62,881.62) 3633.98,868.8 3634.07,868.72 ccw(c3641.09,875.84) 3634.16,868.63 3649.15,854.08 ccw(c3656.14,861.23) 3649.21,854.03 3659.28,844.25 3722.04,781.49 cw(c3690.75,750.2) 3735,750.2 3735,735 ccw(c3813.68,735) 3758.04,679.36 U1.33@3791.31,646.1
Key_3: K1.4 U1.32 | length 2166.6
  Top Layer w10: K1.4@2045.59,1637.88 2076.61,1606.86 ; 2076.63,1606.83 ccw(c2399.68,1929.82) 2399.7,1473 2705,1473 2886.63,1473 cw(c2886.69,995.17) 3224.61,1333.01 ; 3224.63,1332.99 3734.38,823.24 ccw(c3799.89,888.75) 3799.89,796.1 cw(c3799.89,696.1) 3870.6,766.81 U1.32@3891.31,746.1
Key_4: K1.5 U1.29 | length 1918.6
  Top Layer w10: K1.5@2155.59,1637.88 2176.18,1618.3 2176.31,1618.3 ccw(c2510.18,1992.47) 2510.18,1491 2510.23,1491 2705,1491 2908.53,1491 cw(c2908.59,1044.49) 3224.32,1360.23 ; 3224.32,1360.22 3224.38,1360.16 3294.77,1289.77 3504.77,1079.77 3512.66,1071.89 3647.39,937.16 ccw(c3789.74,1078.23) 3648.65,935.89 3709.15,875.39 ccw(c3779.86,946.1) 3779.86,846.1 U1.29@3791.31,846.1
Key_5: K1.6 U1.30 | length 1873
  Top Layer w10: K1.6@2300.59,1637.88 2341.35,1597.11 ; 2341.38,1597.08 ccw(c2551.57,1807.21) 2551.59,1510 ; 2551.63,1510 2910.94,1510 cw(c2911.01,1053.73) 3233.68,1376.32 3397.5,1212.5 3529.27,1080.73 3653.04,956.96 ccw(c3799.89,1103.7) 3799.95,896.1 ; 3799.99,896.1 cw(c3799.89,796.1) 3870.6,866.81 U1.30@3891.31,846.1
Motor1_D: P4.4 U1.95 | length 539.2
  Top Layer w10: U1.95@5291.31,2246.1 5315.92,2270.71 cw(c5386.63,2200) 5386.63,2300 5390,2300 cw(c5390,2205) 5485,2205 5485,2032.52 ccw(c5585,2032.52) 5514.29,1961.81 P4.4@5530,1946.1
Motor1_S: P4.3 U1.98 | length 662.1
  Bottom Layer w10: U1.98@5191.31,2246.1 5210.92,2265.71 cw(c5281.63,2195) 5281.63,2295 5538.79,2295 cw(c5538.79,2243.79) 5574.99,2280.01 cw(c5538.79,2243.79) 5590,2243.79 5590,2147.52 cw(c5490,2147.52) 5560.71,2076.81 P4.3@5530,2046.1
Motor2_D: P4.6 U1.94 | length 448.8
  Top Layer w10: U1.94@5391.31,2146.1 5416.67,2120.74 cw(c5345.96,2050.03) 5445.96,2050.03 5445.96,1871.56 ccw(c5545.96,1871.56) 5475.25,1800.85 P4.6@5530,1746.1
Motor2_S: P4.5 U1.96 | length 448.8
  Top Layer w10: U1.96@5391.31,2246.1 5435.71,2201.7 cw(c5365,2130.99) 5465,2130.99 5465,1952.52 ccw(c5565,1952.52) 5494.29,1881.81 P4.5@5530,1846.1
Motor_ERR: P4.1 U1.93 | length 271.5
  Bottom Layer w10: U1.93@5291.31,2146.1 5310.92,2165.71 cw(c5381.63,2095) 5381.63,2195 5437.48,2195 ccw(c5437.48,2295) 5508.19,2224.29 P4.1@5530,2246.1
Motor_STBY: P4.2 U1.92 | length 176.1
  Bottom Layer w10: U1.92@5391.31,2046.1 ccw(c5391.31,2139.51) 5457.36,2073.46 P4.2@5530,2146.1
NetC11_2: C11.2 U2.3 | length 195.6
  Top Layer w10: U2.3@6515.01,1534.37 6530.97,1534.37 ccw(c6530.97,1634.37) 6601.68,1563.66 C11.2@6673.18,1635.16
NetL1_1: L1.1 U2.11 | length 297.4
  Top Layer w10: L1.1@6186.49,1386.73 6275.31,1475.55 cw(c6346.02,1404.84) 6346.02,1504.84 U2.11@6439.22,1504.84
NetL1_2: L1.2 U2.9 | length 297.4
  Top Layer w12: L1.2@6186.49,1662.32 6275.31,1573.5 ccw(c6346.02,1644.21) 6346.02,1544.21 U2.9@6439.22,1544.21
NetR1_2: R1.2 U2.1 U2.14 | length 240.7
  Top Layer w8: U2.14@6481.54,1469.41 6481.54,1481.54 cw(c6495,1481.54) 6495,1495 U2.1@6515,1495
  Top Layer w10: U2.1@6515,1495 6550.65,1495 cw(c6550.65,1395) 6621.37,1465.71 R1.2@6673.18,1413.9
NetR2_1: R2.1 U2.2 | length 160.8
  Top Layer w10: U2.2@6515.01,1514.68 6649.42,1514.68 ccw(c6649.42,1548.29) R2.1@6673.18,1524.53
SPI_BL: P6.8 U1.55 | length 2165.5
  Top Layer w8: 3766.17,1185.41 3777.92,1185.41 cw(c3791.31,1146.1) 3804.7,1185.41 ccw(c3807.23,1193) 3807.19,1185 3875.42,1185 ccw(c3875.38,1193) 3877.92,1185.41 cw(c3891.31,1146.1) 3904.7,1185.41 ccw(c3907.23,1193) 3907.19,1185 3925,1185
  Top Layer w10: P6.8@3570,1340.16 3695.45,1214.7 ccw(c3766.17,1285.41) 3766.17,1185.41 ; 3925,1185 cw(c3925,1023) 4087,1023 4087,822.24 ccw(c4333.14,822.24) 4333.14,576.1 5019.89,576.1 cw(c5019.89,476.1) 5090.6,546.81 U1.55@5191.31,446.1
SPI_CS: P6.7 U1.56 | length 2408.2
  Top Layer w8: 3765.86,1209.14 ccw(c3788.05,1252.49) 3810.18,1209.11 cw(c3813.85,1202) 3813.81,1210 3868.81,1210 cw(c3868.77,1202) 3872.39,1209.14 ccw(c3891.31,1246.1) 3910.18,1209.11 cw(c3913.85,1202) 3913.81,1210 3925,1210
  Top Layer w10: P6.7@3570,1440.16 ccw(c3654.88,1440.16) 3594.86,1380.14 3765.86,1209.14 ; 3925,1210 cw(c3925,1030) 4105,1030 4105,823.32 ccw(c4332.22,823.32) 4332.22,596.1 5072.39,596.1 cw(c5072.39,496.1) 5143.1,566.81 5211.41,498.5 ; U1.56@5191.31,346.1 5211.41,366.2 ccw(c5145.26,432.35) 5238.81,432.35 ccw(c5145.26,432.35) 5211.43,498.48
SPI_DC: P6.6 U1.58 | length 2683.4
  Top Layer w10: v1(4993.81,536.1) 5012.39,517.52 cw(c4941.68,446.81) 5041.68,446.81 5041.68,344.77 ccw(c5085.35,344.77) 5085.35,301.1 5304.89,301.1 ccw(c5304.89,401.1) 5375.6,330.39 U1.58@5391.31,346.1
  Bottom Layer w10: P6.6@3570,1540.16 3684.77,1425.39 ccw(c3755.48,1496.1) 3755.48,1396.1 3903.21,1396.1 cw(c3903.21,1335.5) 3963.81,1335.5 3963.81,1027.89 ccw(c4390.59,1027.89) 4390.59,601.1 4887.39,601.1 cw(c4887.39,501.1) 4958.1,571.81 v1(4993.81,536.1)
SPI_RES: P6.5 U1.59 | length 2489.5
  Top Layer w10: P6.5@3570,1640.16 3674.52,1535.64 cw(c3603.81,1464.93) 3703.81,1464.93 3703.81,1386.1 ccw(c3793.81,1386.1) 3793.81,1296.1 3862.8,1296.1 cw(c3862.8,1033.91) 4125,1033.91 4125,822.17 ccw(c4333.07,822.17) 4333.07,614.1 5081.89,614.1 cw(c5081.89,514.1) 5152.6,584.81 5155.58,581.83 5160.6,576.81 U1.59@5291.31,446.1
SPI_SCK: P6.3 U1.54 | length 2674.7
  Bottom Layer w10: P6.3@3570,1840.16 3684.77,1725.39 ccw(c3755.48,1796.1) 3755.48,1696.1 3913.81,1696.1 cw(c3913.81,1606.1) 4003.81,1606.1 4003.81,1029.03 ccw(c4392.85,1028.96) 4407.65,640.2 4407.84,640.2 4750,640.14 4923.35,640.14 cw(c4923.35,540.14) 4994.06,610.85 5116.83,488.08 cw(c5063.78,435.02) 5138.81,435.02 cw(c5038.81,435.02) 5109.52,364.31 U1.54@5091.31,346.1